# Allegro board RK_NVR_DEMO_RK3568_DDR4P216SD4_V12_20201221YWQ_final.brd (continued)
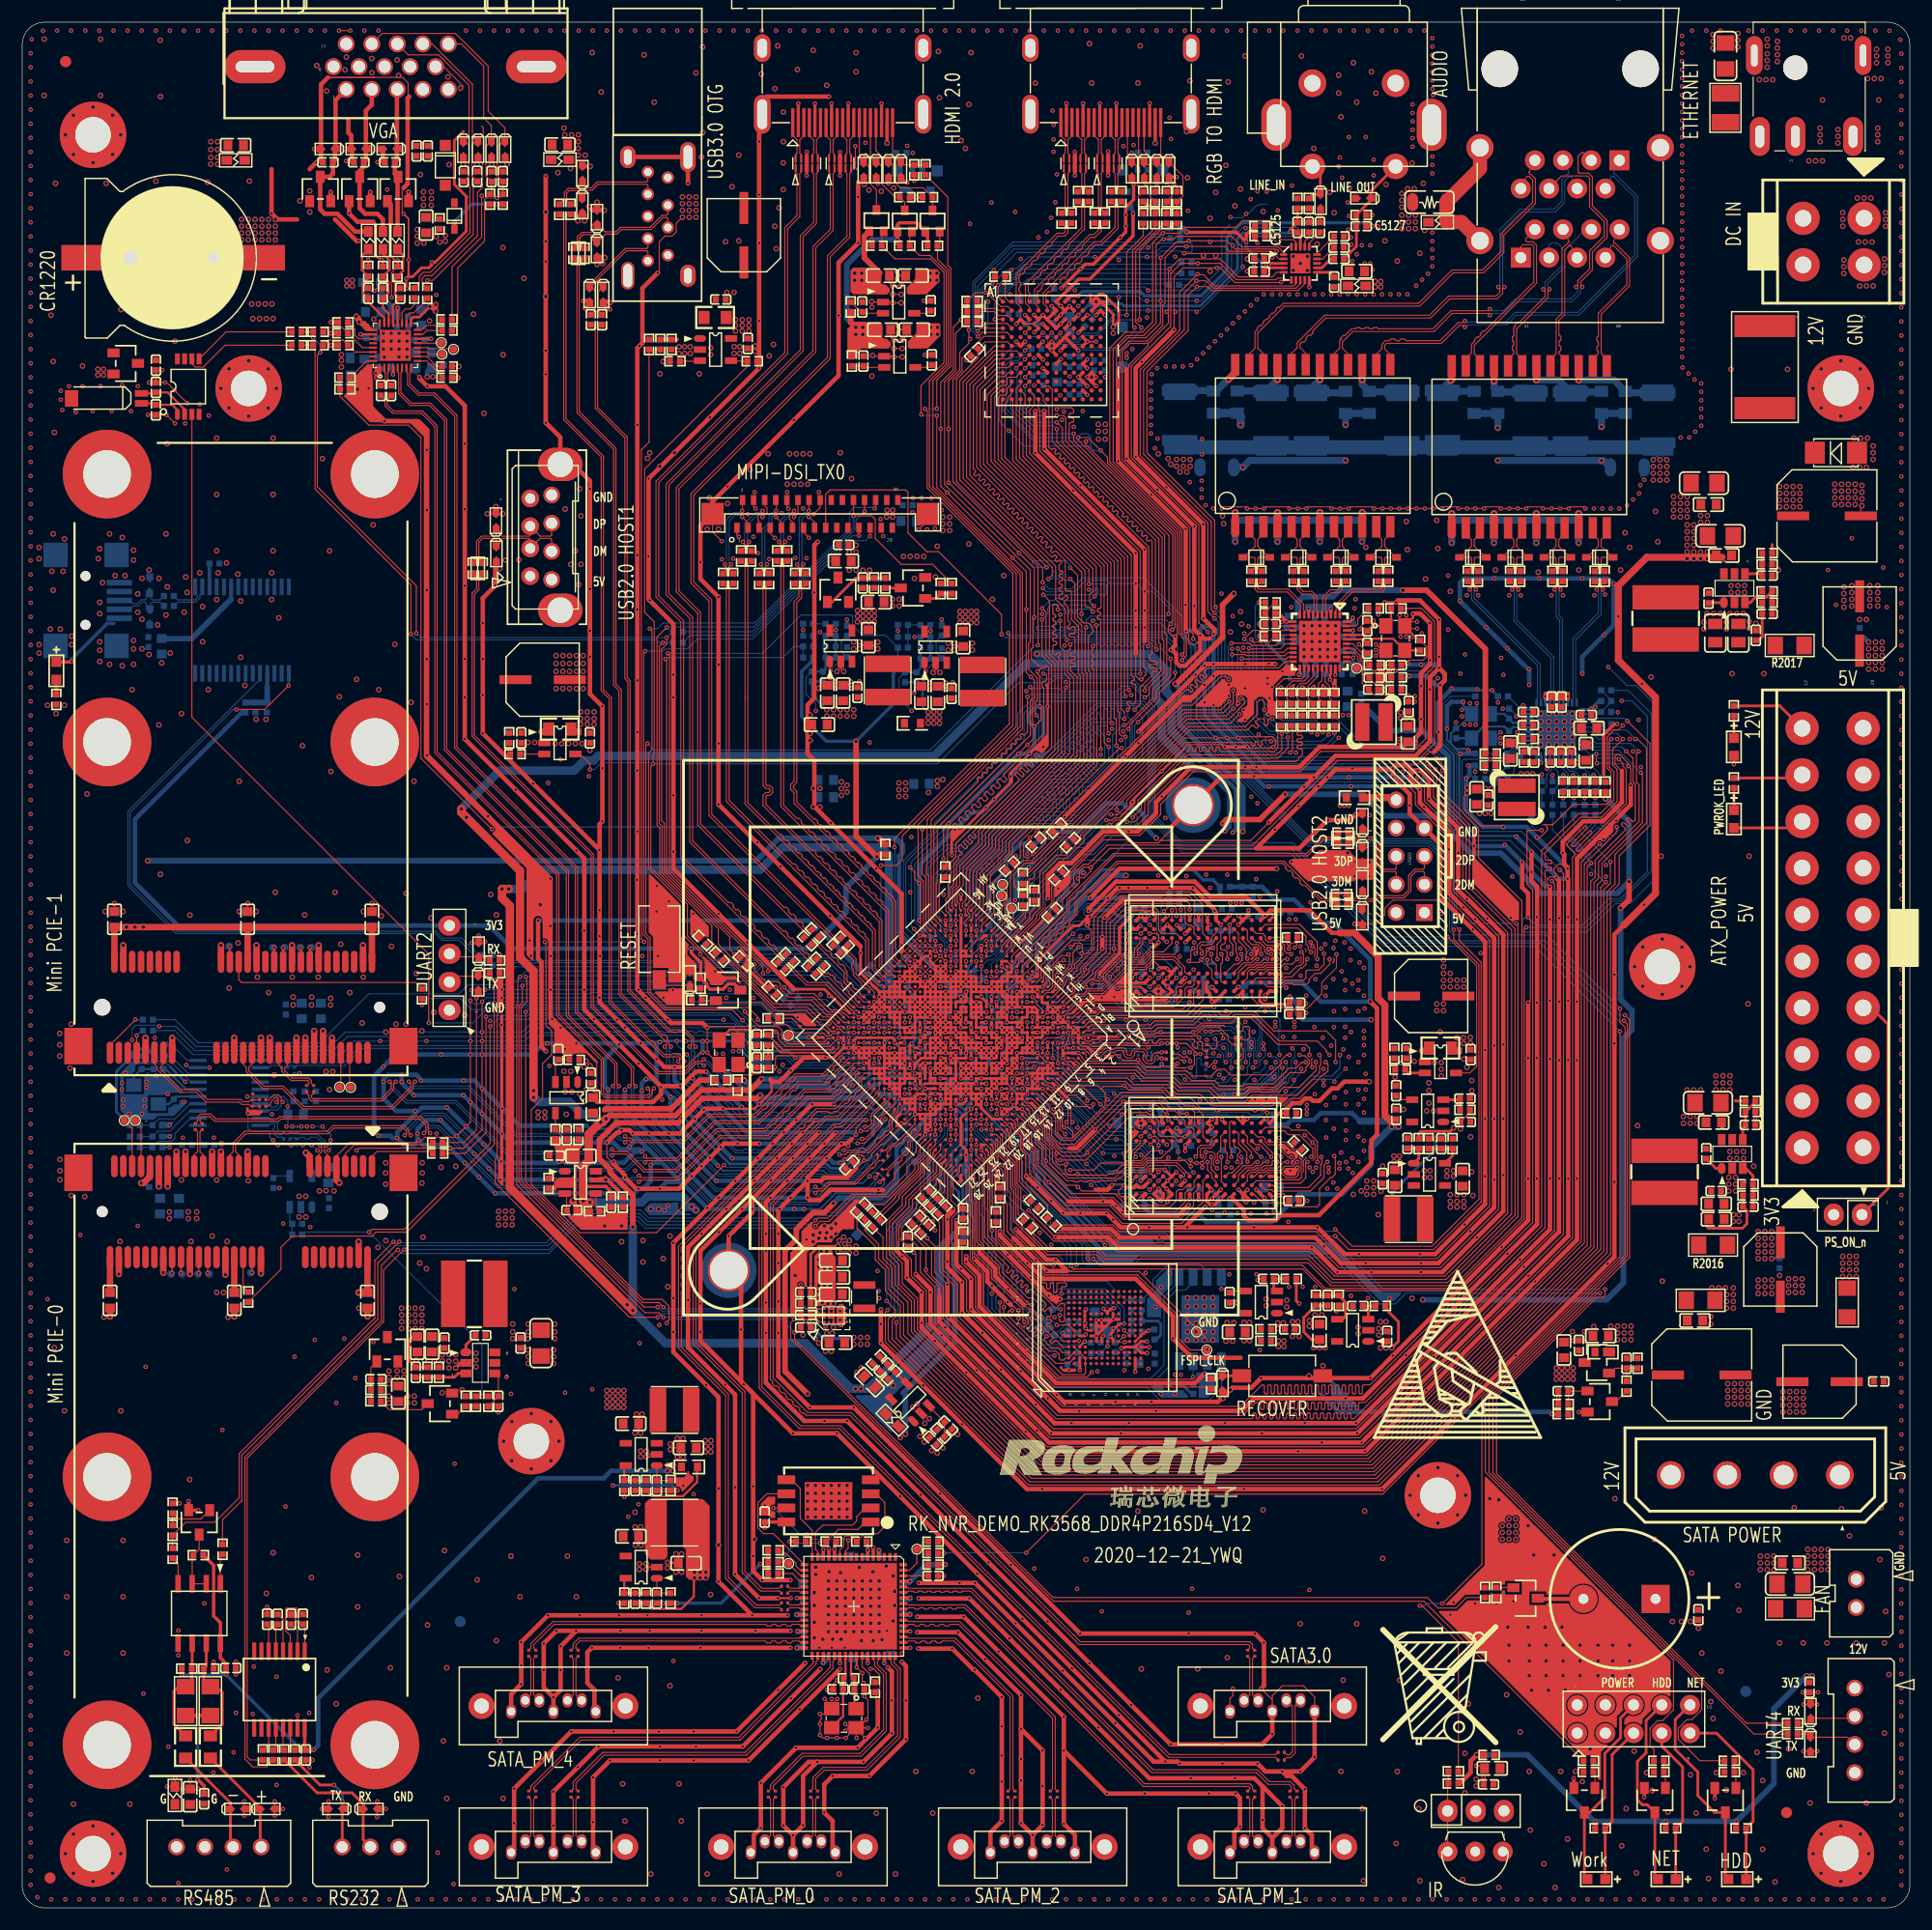
[diagram p0: board, top side]
## Routing (per net, layer and track width the routed paths; a pad name or vN(x,y) marks a point on that pad's centre or on a via; arc(x,y) is an arc through that point) (continued)
  BOTTOM w0.102: v1(101.68,84.56) 101.68,85.72 100.83,86.57 98.85,86.57 98.59,86.82 96.98,86.82 96.69,86.53 95.25,86.53 v1(95.17,86.61)
DDR4_DQU2_B: length 18.6
  TOP w0.102: v1(101.69,66.27) 101.69,66.24 U3301.C3 ; U1000.E14 v1(89.18,74.76)
  BOTTOM w0.102: v1(89.18,74.76) 89.18,74.76 89.18,74.25 90.39,73.04 90.91,73.04 91.81,72.14 91.81,72.09 92.66,71.24 93.5,71.24 93.91,71.64 94.61,71.64 95.52,70.73 95.52,70.33 97.48,68.37 100.84,68.37 101.69,67.53 v1(101.69,66.27)
DDR4_DQU3_A: length 13
  TOP w0.102: v1(101.67,87.1) U3300.C7 ; U1000.M1 92.04,83.59 92.04,84.69 94.58,87.24 95.65,87.24 95.94,87.54 v1(95.98,87.54)
  BOTTOM w0.102: v1(95.98,87.54) 95.98,87.55 96.34,87.91 99.38,87.91 99.86,87.44 101.33,87.44 v1(101.67,87.1)
DDR4_DQU3_B: length 14.3
  TOP w0.102: U1000.D12 90.56,74.3 v1(90.56,74.3) ; v1(101.67,68.81) U3301.C7
  BOTTOM w0.102: v1(90.56,74.3) 90.66,74.3 91.29,73.67 91.29,73.67 92.51,72.44 94.91,72.44 97.73,69.63 99.18,69.63 99.63,69.18 101.29,69.18 v1(101.67,68.81)
DDR4_DQU4_A: length 14.2
  TOP w0.102: U1000.J6 v1(91.02,80.27) ; v1(101.59,83.02) U3300.C2
  BOTTOM w0.102: v1(91.02,80.27) 91.03,80.27 94.65,83.89 95.72,83.89 96.65,84.82 98.08,84.82 99.7,83.21 101.4,83.21 v1(101.59,83.02)
DDR4_DQU4_B: length 18.6
  TOP w0.102: v1(88.26,73.84) U1000.E15 ; U3301.C2 v1(101.59,64.74)
  BOTTOM w0.102: v1(101.59,64.74) 101.4,64.92 99.62,64.92 99.43,64.74 97.73,64.74 93.53,68.93 93.53,69.21 91.01,71.73 91.01,72.02 90.39,72.64 90.19,72.64 88.99,73.84 88.26,73.84 v1(88.26,73.84)
DDR4_DQU5_A: length 18.3
  TOP w0.102: v1(89.64,80.73) U1000.L6 ; U3300.C8 v1(101.59,88.62)
  BOTTOM w0.089: v1(89.64,80.73) 89.77,80.87 89.77,81.72
  BOTTOM w0.102: v1(101.59,88.62) 101.36,88.85 100.49,88.85 100.48,88.85 97.35,88.85 97.26,88.94 94.84,88.94 92.16,86.27 92.16,84.11 89.77,81.72
DDR4_DQU5_B: length 11
  TOP w0.102: v1(101.59,70.34) U3301.C8 ; U1000.A9 93.31,74.76 94.15,73.92 95.68,73.92 97.16,72.44 v1(97.16,72.43)
  BOTTOM w0.102: v1(97.16,72.43) 97.17,72.43 97.57,72.04 97.58,72.04 97.64,71.98 100.56,71.98 101.25,71.29 101.25,70.68 v1(101.59,70.34)
DDR4_DQU6_A: length 16.4
  TOP w0.102: U1000.J7 90.56,79.81 v1(90.56,79.81) ; U3300.D3 v1(102.39,83.82)
  BOTTOM w0.089: 91.52,80.32 91.52,80.31 91.02,79.81 90.56,79.81 v1(90.56,79.81)
  BOTTOM w0.102: 91.52,80.32 92.73,81.54 92.79,81.54 94.79,83.54 95.87,83.54 96.79,84.47 97.94,84.47 99.55,82.85 101.13,82.85 101.35,82.64 101.78,82.64 101.98,82.84 101.98,83.41 v1(102.39,83.82)
DDR4_DQU6_B: length 19
  TOP w0.102: U3301.D3 v1(102.39,65.54) ; U1000.D15 v1(89.18,72.94)
  BOTTOM w0.102: v1(102.39,65.54) 101.98,65.13 101.98,64.62 101.74,64.38 101.35,64.38 101.21,64.52 99.72,64.52 99.58,64.38 97.58,64.38 93.18,68.78 93.18,69.06 90.65,71.59 90.65,71.92 90.23,72.34 89.89,72.34 89.29,72.94 v1(89.18,72.94)
DDR4_DQU7_A: length 23.9
  TOP w0.102: U1000.L7 v1(89.18,80.27) ; U3300.D7 v1(103.13,87.08)
  BOTTOM w0.089: v1(89.18,80.27) 89.18,80.73 89.31,80.86 89.31,80.87 89.5,81.06 89.5,81.91 89.65,82.05
  BOTTOM w0.102: 89.65,82.05 91.81,84.21 91.81,86.41 95.92,90.52 101.7,90.52 102.23,89.98 102.23,87.71 102.86,87.08 v1(103.13,87.08)
DDR4_DQU7_B: length 14.8
  TOP w0.102: U1000.B10 92.87,74.76 94.06,73.56 95.35,73.56 95.96,72.96 v1(95.96,72.76) ; U3301.D7 v1(103.14,68.79)
  BOTTOM w0.102: v1(103.14,68.79) 102.86,68.79 101.98,69.67 101.98,71.09 100.74,72.33 97.78,72.33 97.2,72.91 96.1,72.91 v1(95.96,72.76)
DDR4_ODT0: length 19.3
  TOP w0.102: U1000.E8 v1(91.94,77.49)
  BOTTOM w0.089: R3311.1 R3310.2 106.46,75.96 106.28,75.96
  BOTTOM w0.1: 106.28,75.96 106.28,75.96
  BOTTOM w0.102: 106.28,75.96 106.22,76.01 106.22,76.5 106.12,76.61 105.92,76.61 105.82,76.5 105.82,74.88 105.71,74.78 105.51,74.78 105.41,74.88 105.41,75.18 105.31,75.29 105,75.29 104.6,75.69 100.77,75.69 100.33,76.12 95.19,76.12 95.08,76.24 94.6,76.24 93.9,76.94 93.38,76.94 92.82,77.49 v1(91.94,77.49)
DDR4_ODT0_A: length 13.1
  TOP w0.102: v1(107.14,85.97) 107.15,85.97 107.15,85.43 107.59,84.99 U3300.K3
  POWER w0.1: v1(107.14,85.97) 107.16,85.96 107.16,85.09 107.8,84.45 107.8,83.57 107.9,83.46 107.9,82.45 108.4,81.94 108.4,81.28 108.05,80.92 108.05,80.55 107.85,80.35 v1(107.85,76.81)
  BOTTOM w0.089: v1(107.85,76.81) 107.72,76.68 R3310.1
DDR4_ODT0_B: length 12.6
  TOP w0.102: v1(107.14,67.69) 107.14,66.58 107.59,66.13 U3301.K3
  POWER w0.089: 107.44,68.64 107.44,68.45
  POWER w0.1: 107.44,68.64 107.44,69.16 108.08,69.8 108.08,70.23 108.55,70.7 108.55,72.08 107.87,72.75 107.87,75.06 v1(107.85,75.08) ; 107.44,68.45 107.29,68.29 107.29,67.83 v1(107.14,67.69)
  BOTTOM w0.089: 107.29,75.14 107.65,75.49 107.93,75.49 108.02,75.4 108.02,75.2 107.96,75.14
  BOTTOM w0.1: 107.96,75.14 107.93,75.11 107.87,75.11 v1(107.85,75.08) ; R3311.2 106.63,74.91 106.73,74.81 107.17,74.81 107.29,74.93 107.29,75.14
DDR4_RESETN: length 77.2
  TOP w0.089: v1(118.41,85.95) 118.41,84.73 117.09,83.41 117.09,82.74
  TOP w0.1: C3302.1 114.71,81.08 115.77,81.08 117.09,82.4 117.09,82.74
  TOP w0.102: U3301.P1 110.98,64.34 111.78,63.54 113.93,63.54 C3301.1 114.13,63.41 114.35,63.2 116.69,63.2 116.89,63.4 116.89,64.82 117.91,65.84 118.01,65.84 118.31,66.14 118.31,67.67 v1(118.21,67.77) ; U3300.P1 110.79,82.02 111.63,81.18 113.6,81.18 C3302.1 ; U1000.F11 v1(90.1,75.68)
  POWER w0.1: v1(118.21,67.77) 118.21,68.02 118.91,68.72 118.91,75.41 118.7,75.63 118.7,76.84 v1(118.74,76.89) 118.71,76.92 118.71,77.64 118.85,77.77 118.85,83.94 118.49,84.3 118.49,84.99 118.41,85.07 v1(118.41,85.95)
  BOTTOM w0.089: v1(90.1,75.68) 90.22,75.55 90.68,75.55 91.02,75.21 91.02,75.21 92.52,73.71 92.97,73.71
  BOTTOM w0.102: 92.97,73.71 93.37,73.32 97.83,73.32 98.09,73.05 102.27,73.05 103.11,72.21 105.1,72.21 105.59,71.73 107.32,71.73 107.5,71.55 107.78,71.55 107.94,71.7 110.49,71.7 110.74,71.45 111.41,71.45 111.99,72.03 112.93,72.03 114.35,73.46 114.55,73.46 116.08,74.98 118.01,74.98 118.72,75.69 118.72,76.86 v1(118.74,76.89)
DDR_RZQ: length 0.9
  TOP w0.305: U1000.H7 v1(91.48,78.89)
  BOTTOM w0.254: R1100.1 91.86,78.89 v1(91.48,78.89)
DDRPHY_VREFOUT: length 28.7
  TOP w0.254: U1000.P8 v1(87.8,81.65)
  BOTTOM w0.203: 88.27,83.39 88.27,82.68 87.97,82.38 87.97,82.01 C3304.1 88.04,81.89 v1(87.8,81.65)
  BOTTOM w0.254: 90.8,87.07 90.58,86.84 90.58,85.95 89.15,84.52 89.15,84.28 88.27,83.39
  BOTTOM w0.305: 90.8,87.07 97.31,93.57 105.51,93.57 106.43,92.66 107.3,92.66 R3322.2
  BOTTOM w0.406: R3322.2 107.92,91.21 C3303.2
DEBUG0_USB_DM: length 5.6
  BOTTOM w0.102: R9104.2 12.42,117.7 11.72,117.7 11.51,117.5 D9103.1 11.28,117 11.18,117.1 11.18,117.6 11.07,117.7 10.81,117.7 10.46,117.35 9.96,117.35 9.66,117.05 J9101.2
DEBUG0_USB_DP: length 5.5
  BOTTOM w0.102: J9101.3 9.73,117.85 10.03,117.55 10.37,117.55 10.72,117.9 11.08,117.9 11.18,118.01 11.18,118.31 D9102.1 11.47,118.15 11.72,117.9 12.42,117.9 R9105.2
DEBUG0_USBDM: length 3.7
  BOTTOM w0.102: U9100.16 16.23,118.54 16.01,118.32 16.01,118.06 15.64,117.7 14.01,117.7 R9104.1
DEBUG0_USBDP: length 3.4
  BOTTOM w0.102: U9100.15 15.58,118.48 15.8,118.26 15.8,118.15 15.56,117.9 14.01,117.9 R9105.1
DP_TX_AUXN: length 1.8
  TOP w0.102: U5900.3 33.02,138.47 32.93,138.37 32.93,137.54 C5908.2
DP_TX_AUXP: length 1.8
  TOP w0.102: U5900.2 32.62,138.47 32.72,138.37 32.72,137.62 C5907.2
EDP_HPDIN_M0: length 96.9
  TOP w0.102: R5906.1 R5907.1 28.63,136.25 31.22,133.65 34.8,133.65 35.93,132.52 35.93,103.62 v1(42.32,97.23) ; v1(81.09,97.23) 81.09,93.2 81.43,92.86 81.43,88.48 U1000.AH7
  BOTTOM w0.102: v1(42.32,97.23) 42.52,97.43 80.89,97.43 v1(81.09,97.23)
EDP_TX_AUXN: length 111
  TOP w0.102: v1(56.37,73.87) 56.54,73.7 56.54,73.44 56.35,73.25 52.58,73.25 52.37,73.46 52.37,76.5 48.36,80.52 48.36,93.22 37.38,104.2 37.38,133.61 36.07,134.92 33.45,134.92 32.89,135.48 32.89,135.97 C5908.1 ; v1(80.91,72) U1000.M25
  BOTTOM w0.102: v1(56.37,73.87) 56.54,73.7 56.54,72.14 62.74,65.94 72,65.94 72.31,65.63 74.91,65.63 75.59,66.31 75.81,66.31 76.03,66.53 76.03,66.75 76.25,66.97 76.47,66.97 76.68,67.18 76.68,67.4 76.9,67.62 77.12,67.62 77.33,67.83 77.33,68.05 77.55,68.27 77.77,68.27 77.98,68.49 77.98,68.71 79.83,70.55 79.83,71.42 80.75,72.33 80.89,72.33 80.99,72.23 80.99,72.09 v1(80.91,72)
EDP_TX_AUXP: length 111
  TOP w0.102: v1(81.36,72.46) 81.36,72.46 U1000.L25 ; v1(56.92,73.87) 56.74,73.7 56.74,73.35 56.44,73.05 52.49,73.05 52.17,73.37 52.17,76.42 48.15,80.44 48.15,93.14 37.18,104.11 37.18,133.53 35.98,134.72 33.37,134.72 32.69,135.4 32.69,135.96 C5907.1
  BOTTOM w0.102: v1(56.92,73.87) 56.74,73.7 56.74,72.22 62.82,66.14 72.09,66.14 72.39,65.84 74.83,65.84 79.63,70.64 79.63,71.5 80.66,72.54 80.97,72.54 81.13,72.37 81.28,72.37 v1(81.36,72.46)
EDP_TX_D0N: length 104.3
  TOP w0.102: v1(53.77,74.07) 53.59,74.24 53.59,76.11 49.23,80.47 49.23,93.47 38.25,104.44 38.25,134.16 36.78,135.64 35.06,135.64 34.13,136.57 34.13,138.37 34.22,138.47 U5900.6 ; v1(76.88,65.82) 77.1,66.05 C1712.2
  BOTTOM w0.102: v1(53.77,74.07) 53.59,73.89 53.59,72.08 62.08,63.6 71.58,63.6 72.9,64.92 76.22,64.92 76.88,65.58 v1(76.88,65.82)
EDP_TX_D0P: length 105
  TOP w0.102: U5900.5 33.82,138.47 33.92,138.37 33.92,136.49 34.98,135.43 36.7,135.43 38.05,134.08 38.05,104.36 49.02,93.39 49.02,80.39 53.39,76.02 53.39,74.24 v1(53.22,74.07) ; v1(77.27,65.43) 77.5,65.67 C1708.2
  BOTTOM w0.102: v1(53.22,74.07) 53.39,73.89 53.39,72 61.99,63.4 71.66,63.4 72.41,64.15 72.63,64.15 72.85,64.37 72.85,64.59 72.98,64.72 76.31,64.72 76.49,64.9 76.64,64.9 76.86,65.12 76.86,65.27 77.02,65.43 v1(77.27,65.43)
EDP_TX_D1N: length 102.6
  TOP w0.102: U5900.8 35.02,138.47 34.93,138.37 34.93,137.4 35.77,136.55 37.17,136.55 39.17,134.55 39.17,104.65 50.04,93.78 50.04,80.81 55.09,75.76 55.09,74.24 v1(55.26,74.07) ; C1710.2 77.07,67.51 74.99,65.43 72.61,65.43 72,64.82 71.65,64.82 v1(71.48,65)
  BOTTOM w0.102: v1(55.26,74.07) 55.09,73.89 55.09,72.32 62.58,64.82 71.3,64.82 v1(71.48,65)
EDP_TX_D1P: length 103.2
  TOP w0.102: U5900.7 34.62,138.47 34.72,138.37 34.72,137.31 35.69,136.35 37.08,136.35 38.96,134.47 38.96,104.56 49.83,93.69 49.83,80.73 54.88,75.68 54.88,74.24 v1(54.71,74.07) ; v1(71.48,64.44) 71.65,64.62 72.09,64.62 72.69,65.23 75.07,65.23 76.53,66.69 76.69,66.69 76.91,66.9 76.91,67.06 77.22,67.37 C1709.2
  BOTTOM w0.102: v1(54.71,74.07) 54.88,73.89 54.88,72.23 62.5,64.62 71.3,64.62 v1(71.48,64.44)
EDP_TXD0N: length 5.7
  TOP w0.102: U1000.K27 80.91,70.17 79.81,69.07 79.81,68.46 77.91,66.56 C1712.1
EDP_TXD0P: length 5.2
  TOP w0.102: C1708.1 77.99,66.36 78.8,67.16 79,67.16 79.22,67.38 79.22,67.58 79.43,67.8 79.63,67.8 79.85,68.01 79.85,68.22 80.01,68.38 80.01,68.99 80.73,69.7 U1000.J28
EDP_TXD1N: length 4.4
  TOP w0.102: U1000.L27 80.45,70.64 78.69,68.88 78.4,68.88 77.78,68.27 C1710.1
EDP_TXD1P: length 4
  TOP w0.102: C1709.1 77.97,68.16 78.49,68.68 78.77,68.68 79,68.91 79.23,68.91 79.44,69.13 79.44,69.35 79.66,69.56 79.88,69.56 80.09,69.78 80.09,70 80.25,70.16 U1000.K28
EMMC_CLKOUT: length 21.8
  TOP w0.102: U4000.M6 99.79,51.56 99.61,51.74 v1(99.3,52.05) ; v1(93.62,55.37) 93.62,55.88 93.73,55.98 93.99,55.98 94.09,56.08 94.09,56.23 93.97,56.34 93.32,56.34 93.23,56.25 93.23,55.56 93.14,55.47 93.01,55.47 92.92,55.56 92.92,56.25 92.83,56.34 92.71,56.34 92.62,56.25 92.62,55.87 92.53,55.78 92.4,55.78 92.31,55.87 92.31,56.25 92.22,56.34 91.84,56.34 87.73,60.45 R1310.2
  BOTTOM w0.102: v1(99.3,52.05) 98.93,52.42 98.93,54 97.56,55.37 v1(93.62,55.37)
EMMC_CLKOUT_SOC: length 5.9
  TOP w0.102: U1000.A23 87.07,68.13 87.07,67.79 87.4,67.46 87.4,63.06 R1310.1
EMMC_CMD: length 27.7
  TOP w0.102: v1(99.32,51) 99.37,51.05 U4000.M5 ; v1(92.91,57.92) 92.3,57.92 89.05,61.16 89.05,64.41 88.79,64.68 88.79,67.02 87.68,68.12 87.68,68.9 87.34,69.24 U1000.B22
  BOTTOM w0.102: v1(92.91,57.92) 92.91,54.87 93.26,54.51 97.42,54.51 98.67,53.26 98.67,51.78 98.48,51.59 R4004.2 99.29,50.96 v1(99.32,51)
EMMC_D0: length 26.7
  TOP w0.102: U4000.A3 93.76,50.05 93.32,50.5 92.71,50.5 92.07,51.13 92.07,51.28 v1(92.3,51.51) ; v1(93.48,53.44) 93.48,52.93 93.58,52.83 93.83,52.83 93.93,52.93 93.93,54.36 93.83,54.46 93.59,54.46 93.23,54.1 93.07,54.1 87.83,59.34 87.83,59.74 87,60.58 87,67.13 86.42,67.71 U1000.A24
  BOTTOM w0.102: v1(92.3,51.51) 92.91,51.51 TP1301.1 94.24,52.84 R4003.2 93.66,53.44 v1(93.48,53.44)
EMMC_D1: length 28.3
  TOP w0.089: U1000.C21 86.42,70.16 v1(86.42,70.16)
  TOP w0.102: U4000.A4 93.76,50.55 93.19,51.12 93.07,51.12 92.84,50.9 92.72,50.9 92.63,50.99 92.63,51.11 92.85,51.34 92.85,51.46 v1(91.79,52.52)
  BOTTOM w0.089: 86.88,69.53 86.42,69.99 v1(86.42,70.16)
  BOTTOM w0.102: 86.88,69.53 88.75,67.67 88.75,64.21 90.07,62.89 90.07,62.31 89.97,62.21 89.66,62.21 89.56,62.11 89.56,61.91 89.66,61.8 89.97,61.8 90.07,61.7 90.07,60.81 89.97,60.71 89.66,60.71 89.56,60.61 89.56,60.4 89.66,60.3 89.97,60.3 90.07,60.2 90.07,60 89.97,59.9 89.66,59.9 89.56,59.79 89.56,59.59 89.66,59.49 89.97,59.49 90.07,59.39 90.07,59.19 89.97,59.08 89.66,59.08 89.56,58.98 89.56,58.78 89.66,58.68 89.97,58.68 90.07,58.58 90.07,58.37 89.97,58.27 89.66,58.27 89.56,58.17 89.56,57.97 89.66,57.86 89.97,57.86 90.07,57.76 90.07,54.24 v1(91.79,52.52)
EMMC_D2: length 26.8
  TOP w0.102: U4000.A5 93.83,51.05 92.71,52.17 92.71,52.32 92.62,52.41 92.39,52.41 92.3,52.5 92.3,52.62 92.39,52.71 92.62,52.71 92.71,52.8 92.71,52.93 92.62,53.02 92.39,53.02 92.3,53.11 92.3,53.23 92.39,53.32 92.62,53.32 92.71,53.41 92.71,53.95 92.59,54.07 92.46,54.07 92.18,53.79 92.05,53.79 91.96,53.88 91.96,54.01 92.24,54.29 92.24,54.42 90.94,55.72 90.81,55.72 90.61,55.51 90.48,55.51 90.4,55.6 90.4,55.73 90.6,55.93 90.6,56.06 90.51,56.15 90.38,56.15 90.18,55.95 90.05,55.95 89.96,56.04 89.96,56.16 90.17,56.37 90.17,56.49 90.08,56.58 89.95,56.58 89.75,56.38 89.62,56.38 89.53,56.47 89.53,56.59 89.74,56.8 89.74,56.92 89.65,57.01 89.52,57.01 89.32,56.81 89.19,56.81 89.1,56.9 89.1,57.02 89.31,57.23 89.31,57.35 89.22,57.44 89.09,57.44 88.89,57.24 88.76,57.24 88.67,57.33 88.67,57.45 88.87,57.66 88.87,57.78 87.53,59.13 87.53,59.64 86.72,60.45 86.72,67.11 85.96,67.86 U1000.B24
EMMC_D3: length 30
  TOP w0.089: U1000.D21 v1(85.96,70.62)
  TOP w0.102: U4000.B2 94.32,49.08 93.14,49.08 88.85,53.36 88.85,53.75 88.96,53.85 v1(89.2,53.85)
  BOTTOM w0.089: 86.42,69.61 86.03,70 86.03,70.55 v1(85.96,70.62)
  BOTTOM w0.102: 86.42,69.61 87.93,68.1 87.93,66.85 88.44,66.35 88.44,63.91 89.2,63.15 89.2,57.53 89.3,57.43 89.56,57.43 89.66,57.33 89.66,57.12 89.56,57.02 89.3,57.02 89.2,56.92 89.2,56.72 89.3,56.62 89.56,56.62 89.66,56.52 89.66,56.31 89.56,56.21 89.3,56.21 89.2,56.11 89.2,55.91 89.3,55.8 89.56,55.8 89.66,55.7 89.66,55.5 89.56,55.4 89.3,55.4 89.2,55.3 89.2,55.09 89.3,54.99 89.56,54.99 89.66,54.89 89.66,54.69 89.56,54.58 89.3,54.58 89.2,54.48 v1(89.2,53.85)
EMMC_D4: length 26.7
  TOP w0.102: U1000.A25 86.51,66.85 86.51,60.25 87.12,59.64 87.12,59.13 88.34,57.91 88.34,57.25 90.63,54.97 91.08,54.97 91.59,54.46 91.59,53.85 91.31,53.56 91.31,53.42 91.49,53.24 91.49,53.14 91.39,53.04 91.26,53.04 91.03,53.27 90.9,53.27 90.81,53.18 90.81,53.06 91.05,52.82 91.05,52.69 90.6,52.24 90.6,52.1 90.74,51.95 90.87,51.95 91.2,52.28 91.33,52.28 91.42,52.19 91.42,52.07 91.09,51.74 91.09,51.61 91.18,51.52 91.3,51.52 91.43,51.65 91.56,51.65 91.64,51.56 91.64,51.43 91.52,51.31 91.52,51.18 92.51,50.19 93.12,50.19 93.42,49.89 93.42,49.5 93.54,49.38 93.83,49.38 93.98,49.53 94.27,49.53 U4000.B3
EMMC_D5: length 31.8
  TOP w0.102: U4000.B4 95.8,49.54 95.8,48.2 95.66,48.06 93.73,48.06 88.44,53.34 v1(88.44,54.16) ; U1000.E21 v1(85.5,71.08)
  BOTTOM w0.089: 85.83,70.29 85.5,70.62 v1(85.5,71.08)
  BOTTOM w0.102: v1(88.44,54.16) 88.44,63.09 87.4,64.13 87.4,66.62 87.4,68.26 85.83,69.83 85.83,70.29
EMMC_D6: length 29.4
  TOP w0.102: U4000.B5 94.84,51.1 v1(95.19,51.1) ; U1000.E22 v1(85.5,70.16)
  BOTTOM w0.102: v1(85.5,70.16) 85.5,69.77 87.02,68.25 87.02,66.31 87.02,64.82 87.02,64.04 87.73,63.33 87.73,58.15 87.83,58.05 88.04,58.05 88.14,57.95 88.14,57.74 88.04,57.64 87.83,57.64 87.73,57.54 87.73,57.34 87.83,57.24 88.04,57.24 88.14,57.14 88.14,56.93 88.04,56.83 87.83,56.83 87.73,56.73 87.73,56.53 87.83,56.42 88.04,56.42 88.14,56.32 88.14,56.12 88.04,56.02 87.83,56.02 87.73,55.92 87.73,55.71 87.83,55.61 88.04,55.61 88.14,55.51 88.14,55.31 88.04,55.2 87.83,55.2 87.73,55.1 87.73,54.08 88.31,53.5 90.42,53.5 90.98,52.93 90.98,52.12 92,51.1 v1(95.19,51.1)
EMMC_D7: length 26.2
  TOP w0.102: U4000.B6 94.79,52.07 94.33,52.52 93.22,52.52 v1(93.22,52.53) ; v1(90.98,54.34) 90.77,54.34 88.04,57.08 88.04,57.78 86.61,59.2 86.61,59.79 86.23,60.17 86.23,66.67 85.5,67.4 U1000.B25
  BOTTOM w0.102: v1(90.98,54.34) 90.98,55.49 91.08,55.6 92.08,55.6 92.15,55.52 92.15,55.23 92.05,55.13 91.59,55.13 91.49,55.02 91.49,54.82 91.59,54.72 92.05,54.72 92.15,54.62 92.15,54.41 92.05,54.31 91.59,54.31 91.49,54.21 91.49,54.01 91.59,53.91 92.05,53.91 92.15,53.8 92.15,53.59 v1(93.22,52.53)
EMMC_DATA_STROBE: length 3.7
  TOP w0.102: v1(97.79,50.62) U4000.H5
  BOTTOM w0.102: v1(97.79,50.62) 97.79,50.6 R4006.1 96.77,49.58 95.52,49.58 R4000.2
EMMC_DATA_STROBE_SOC: length 21.7
  TOP w0.102: U1000.A26 85.55,66.9 85.55,63.84 85.83,63.56 85.83,61.15 85.83,58.97 86,58.8 87.33,57.47 87.33,56.78 90.17,53.94 90.17,52.93 v1(90.27,52.83)
  BOTTOM w0.102: R4000.1 93.79,50.41 91.77,50.41 90.27,51.92 v1(90.27,52.83)
EMMC_RSTN: length 3.5
  TOP w0.102: U4000.K5 v1(99.26,51.52)
  BOTTOM w0.102: v1(99.26,51.52) 99.54,51.52 C4000.1 R4005.2 99.96,53.84 R4002.2
EMMC_RSTN/FSPI_D2: length 36
  TOP w0.102: U1000.F20 v1(85.96,71.54)
  BOTTOM w0.089: 88.04,68.68 86.78,69.94 86.78,70.27 85.96,71.08 v1(85.96,71.54)
  BOTTOM w0.102: U4302.3 106.78,57.36 106.12,58.01 103.28,58.01 101.89,56.63 101.89,55.78 R4311.2 R4002.1 99.4,54.77 97.68,56.48 93.93,56.48 93.73,56.69 93.73,58.42 93.32,58.83 91.9,58.83 91.13,59.59 91.13,62.92 90.73,63.32 90.42,63.32 89.05,64.69 89.05,67.67 88.04,68.68
ES_CE: length 3.7
  TOP w0.102: U7000.20 113.46,149.73 112.5,150.7 R7003.1 R7002.2
ETH0_REFCLKO_25M: length 132
  TOP w0.102: R1515.2 81.01,60.26 81.94,59.33 81.94,57 83.01,55.93 83.01,53.09 92.91,43.18 120.19,43.18 138.06,61.05 138.06,92.32 v1(137.82,92.56)
  BOTTOM w0.102: v1(137.82,92.56) 137.72,92.56 134.06,96.22 130.88,96.22 129.24,97.86 129.24,104.03 127.97,105.3 127.97,108.47 128.7,109.21 R6708.1
ETH1_REFCLKO_25M_M1: length 52.6
  TOP w0.102: R6808.1 126.08,117.14 127.25,115.96 127.25,111.93 126.44,111.12 126.44,105.36 125.32,104.24 116.99,104.24 115.16,102.41 105.51,102.41 102.57,99.47 102.57,98.55 100.69,96.67 97.54,96.67 94.25,93.38 R1660.2
ETHERNET_LED+: length 17.2
  TOP w0.254: J9001.9 152.66,15.75 155.96,12.45 155.96,7.79 R9004.2 LED9001.1
ETHERNET_LED-: length 18.8
  TOP w0.254: LED9001.2 153.46,2.86 Q9001.3 152.49,8.6 150.98,10.11 150.98,12.24 148.94,14.28 148.94,16.96 J9001.10
ETHERNET_LED_EN_H_GPIO4_C6: length 184.7
  TOP w0.102: U1000.AE8 v1(82.74,86.71) ; v1(144.42,80.47) 144.83,80.06 144.83,58.62 132.16,45.95 132.16,39.25 151.32,20.09 151.32,17.85 150.44,16.97 150,16.97 149.22,16.18 149.22,15.2 151.16,13.26 R9007.1
  BOTTOM w0.102: v1(144.42,80.47) 143.92,80.47 137.21,87.17 123.04,87.17 114.5,95.71 104.54,95.71 101.85,98.39 101.85,108 101.1,108.76 91.34,108.76 90.27,107.69 90.27,105.23 82.52,97.48 82.52,97.17 79.6,94.25 79.6,88.39 81.13,86.87 81.23,86.87 81.27,86.83 82.62,86.83 v1(82.74,86.71)
FLASH_VOL_SEL: length 15.9
  TOP w0.102: R2303.1 61.64,86.24 62.46,85.42 R2301.2 63.49,85.42 67.73,81.18 70.76,81.18 71.9,80.04 72.86,80.04 73.45,79.45 73.91,79.45 U1000.AG25
FSPI_CLK: length 28.3
  TOP w0.102: v1(106.78,50.34) 106.78,50.34 TP1303.1 105.21,50.29 104.19,51.31 104.19,53.33 100.47,57.05 92.14,57.05 88.44,60.76 88.44,63.4 88.12,63.72 R1311.2
  BOTTOM w0.102: U4302.6 v1(106.78,50.34)
FSPI_CLK_SOC: length 4.4
  TOP w0.102: U1000.A22 87.48,68.64 87.48,68.04 87.83,67.68 87.83,66.95 88.34,66.45 88.34,65.14 R1311.1
FSPI_CS0N: length 43.3
  TOP w0.102: U1000.C23 v1(85.96,68.78)
  BOTTOM w0.089: 86.66,67.46 86.08,68.05 86.08,68.67
  BOTTOM w0.102: 86.66,67.46 86.66,63.2 87.02,62.84 87.02,53.84 93.17,47.7 101.65,47.7 102.87,48.92 102.87,55.07 104.24,56.43 U4302.1 ; 86.08,68.67 v1(85.96,68.78)
FSPI_D0: length 43.6
  TOP w0.102: U1000.C24 v1(85.5,68.32)
  BOTTOM w0.089: 85.5,68.12 85.5,68.32
  BOTTOM w0.102: 85.5,68.32 v1(85.5,68.32) ; U4302.5 108.05,46.83 106.93,45.72 102.57,45.72 101.37,46.91 92.74,46.91 86.13,53.52 86.13,59.11 85.91,59.33 85.91,65.73 85.57,66.07 85.57,68.04 85.5,68.12
FSPI_D1: length 45.9
  TOP w0.102: U1000.D23 v1(85.5,69.24)
  BOTTOM w0.089: 86.23,67.47 85.86,67.84 85.86,68.42 85.5,68.78
  BOTTOM w0.102: U4302.2 105.51,56.38 104.8,55.68 103.99,55.68 103.3,54.99 103.3,48.74 101.88,47.32 92.94,47.32 86.61,53.65 86.61,62.21 86.23,62.59 86.23,67.47 ; v1(85.5,69.24) 85.5,68.78
FSPI_D3: length 36.6
  TOP w0.102: U1000.A27 85.04,63.65 85.42,63.27 85.42,58.37 86.61,57.18 86.61,54.35 93.31,47.65 105.3,47.65 v1(105.51,47.85)
  BOTTOM w0.102: U4302.7 v1(105.51,47.85) 105.51,47.26 R4312.2
GMAC0_MCLKINOUT: length 130.6
  TOP w0.102: R1516.2 79.81,61.26 C6703.1 80.92,59.38 80.92,57.31 82.25,55.99 82.25,52.73 92.61,42.37 120.51,42.37 138.88,60.73 138.88,93.23 v1(138.53,93.57)
  BOTTOM w0.102: v1(138.53,93.57) 135.08,97.03 131.39,97.03 129.74,98.68 129.74,103.38 129.9,103.53 131.29,103.53 R6711.1 R6710.1
GMAC0_MDC: length 156.1
  TOP w0.102: v1(77.98,53.88) 77.77,53.68 77.77,51 90.68,38.1 122.28,38.1 143.1,58.93 143.1,91.49 143.89,92.28 143.89,94.82 146.66,97.59 146.66,104.95 v1(144.63,106.98) ; U1000.H24 v1(83.2,70.62)
  BOTTOM w0.089: v1(83.2,70.62) 83.11,70.53 83.11,69.65 81.49,68.03
  BOTTOM w0.102: 81.49,68.03 81.23,67.77 81.23,63.91 78.28,60.96 78.28,54.19 v1(77.98,53.88) ; U6700.13 144.39,107.22 v1(144.63,106.98)
GMAC0_MDIO: length 155.2
  TOP w0.102: v1(145.34,105.36) 145.54,105.36 146.35,104.55 146.35,97.79 143.51,94.95 143.51,92.28 142.8,91.57 142.8,59.05 122.15,38.4 90.8,38.4 78.03,51.18 78.03,53.13 v1(78.28,53.38) ; U1000.H23 v1(83.66,71.08)
  BOTTOM w0.089: 82.14,67.38 82.14,68.28 83.34,69.47 83.34,70.3 83.66,70.62 v1(83.66,71.08)
  BOTTOM w0.102: U6700.14 142.17,106.82 R6737.2 142.27,106.27 142.37,106.17 144.53,106.17 v1(145.34,105.36) ; v1(78.28,53.38) 78.59,53.68 78.59,60.86 82.14,64.41 82.14,67.38
GMAC0_RSTN_GPIO1_B0: length 119.3
  TOP w0.102: U1000.D20 v1(86.88,70.62) ; v1(135.51,88.39) 135.33,88.21 135.33,62.11 128.85,55.63 117.33,55.63 115.39,57.58 94.77,57.58 v1(94.49,57.86)
  BOTTOM w0.089: v1(86.88,70.62) 87.02,70.49 87.02,70.03 88.8,68.24
  BOTTOM w0.102: R6739.1 144.71,109.75 146.81,107.65 146.81,93.49 144.08,90.75 143.26,90.75 140.89,88.39 v1(135.51,88.39) ; v1(94.49,57.86) 94.49,59.64 92.67,61.46 92.67,62.22 89.56,65.33 89.56,67.48 88.8,68.24
GMAC0_RXCLK: length 136.3
  TOP w0.102: v1(136.91,97.13) 135.69,97.13 135.59,97.03 135.59,92.25 136.09,91.74 136.09,61.79 121.44,47.14 120.85,47.14 120.76,47.05 120.76,46.42 120.67,46.33 120.54,46.33 120.45,46.42 120.45,47.05 120.36,47.14 120.24,47.14 120.15,47.05 120.15,46.42 120.06,46.33 119.93,46.33 119.84,46.42 119.84,47.05 119.75,47.14 119.63,47.14 119.54,47.05 119.54,46.42 119.45,46.33 119.32,46.33 119.23,46.42 119.23,47.05 119.14,47.14 119.02,47.14 118.93,47.05 118.93,46.42 118.84,46.33 118.71,46.33 118.62,46.42 118.62,47.05 118.53,47.14 118.41,47.14 118.32,47.05 118.32,46.42 118.23,46.33 118.1,46.33 118.01,46.42 118.01,47.05 117.92,47.14 117.8,47.14 117.71,47.05 117.71,46.42 117.62,46.33 117.49,46.33 117.4,46.42 117.4,47.05 117.32,47.14 117.19,47.14 117.1,47.05 117.1,46.42 117.01,46.33 116.88,46.33 116.79,46.42 116.79,47.05 116.71,47.14 116.58,47.14 116.49,47.05 116.49,46.42 116.4,46.33 116.27,46.33 116.19,46.42 116.19,47.05 116.1,47.14 115.97,47.14 115.88,47.05 115.88,46.42 115.79,46.33 115.67,46.33 115.58,46.42 115.58,47.05 115.49,47.14 115.36,47.14 115.27,47.05 115.27,46.42 115.18,46.33 115.06,46.33 114.97,46.42 114.97,47.05 114.88,47.14 114.75,47.14 114.66,47.05 114.66,46.42 114.57,46.33 114.45,46.33 114.36,46.42 114.36,47.05 114.27,47.14 114.14,47.14 114.05,47.05 114.05,46.42 113.96,46.33 113.84,46.33 113.75,46.42 113.75,47.05 113.66,47.14 113.53,47.14 113.44,47.05 113.44,46.42 113.35,46.33 113.23,46.33 113.14,46.42 113.14,47.05 113.05,47.14 112.92,47.14 112.83,47.05 112.83,46.42 112.74,46.33 112.62,46.33 112.53,46.42 112.53,47.05 112.44,47.14 112.31,47.14 112.22,47.05 112.22,46.42 112.13,46.33 112.01,46.33 111.92,46.42 111.92,47.05 111.83,47.14 111.71,47.14 109.77,45.2 93.74,45.2 85.09,53.85 85.09,56.59 83.77,57.91 83.77,62.18 84.28,62.69 84.28,63.2 83.67,63.8 83.67,66.03 U1000.B28
  BOTTOM w0.102: v1(136.91,97.13) 136.4,97.13 135.99,97.54 C6722.1 136,98.52 R6744.2
GMAC0_RXD0: length 137.7
  TOP w0.102: U1000.F27 82.74,68.32 82.25,67.83 82.25,67.69 81.32,66.76 81.32,66.13 79.3,64.11 79.3,63.35 77.88,61.93 77.88,58.62 78.69,57.81 78.69,56.14 80.13,54.71 80.13,51.92 91.81,40.23 121.5,40.23 141.01,59.74 141.01,93.8 v1(141.38,94.17)
  BOTTOM w0.102: v1(141.38,94.17) 141.08,94.47 141.08,94.59 141.31,94.83 141.31,94.96 141.22,95.05 141.1,95.05 140.86,94.81 140.74,94.81 140.65,94.9 140.65,95.03 140.88,95.26 140.88,95.39 140.79,95.48 140.67,95.48 140.43,95.24 140.31,95.24 140.22,95.33 140.22,95.46 140.45,95.69 140.45,95.82 140.36,95.91 140.24,95.91 140,95.67 139.87,95.67 139.78,95.76 139.78,95.89 140.02,96.12 140.02,96.25 139.93,96.34 139.81,96.34 139.57,96.1 139.44,96.1 139.35,96.19 139.35,96.32 139.59,96.56 139.59,96.68 139.5,96.77 139.37,96.77 139.14,96.53 139.01,96.53 138.85,96.69 R6740.2
